# Altium PCB Room04.PcbDoc (part 1 of 2)
Units mil, origin at the board's own origin, x right, y up, seen from the top; angles counter-clockwise.
Board outline 4330.71 x 6653.54 mil, 2 copper layers (Top Layer, Bottom Layer); 102 components, 95 nets, 440 pads, 115 vias.
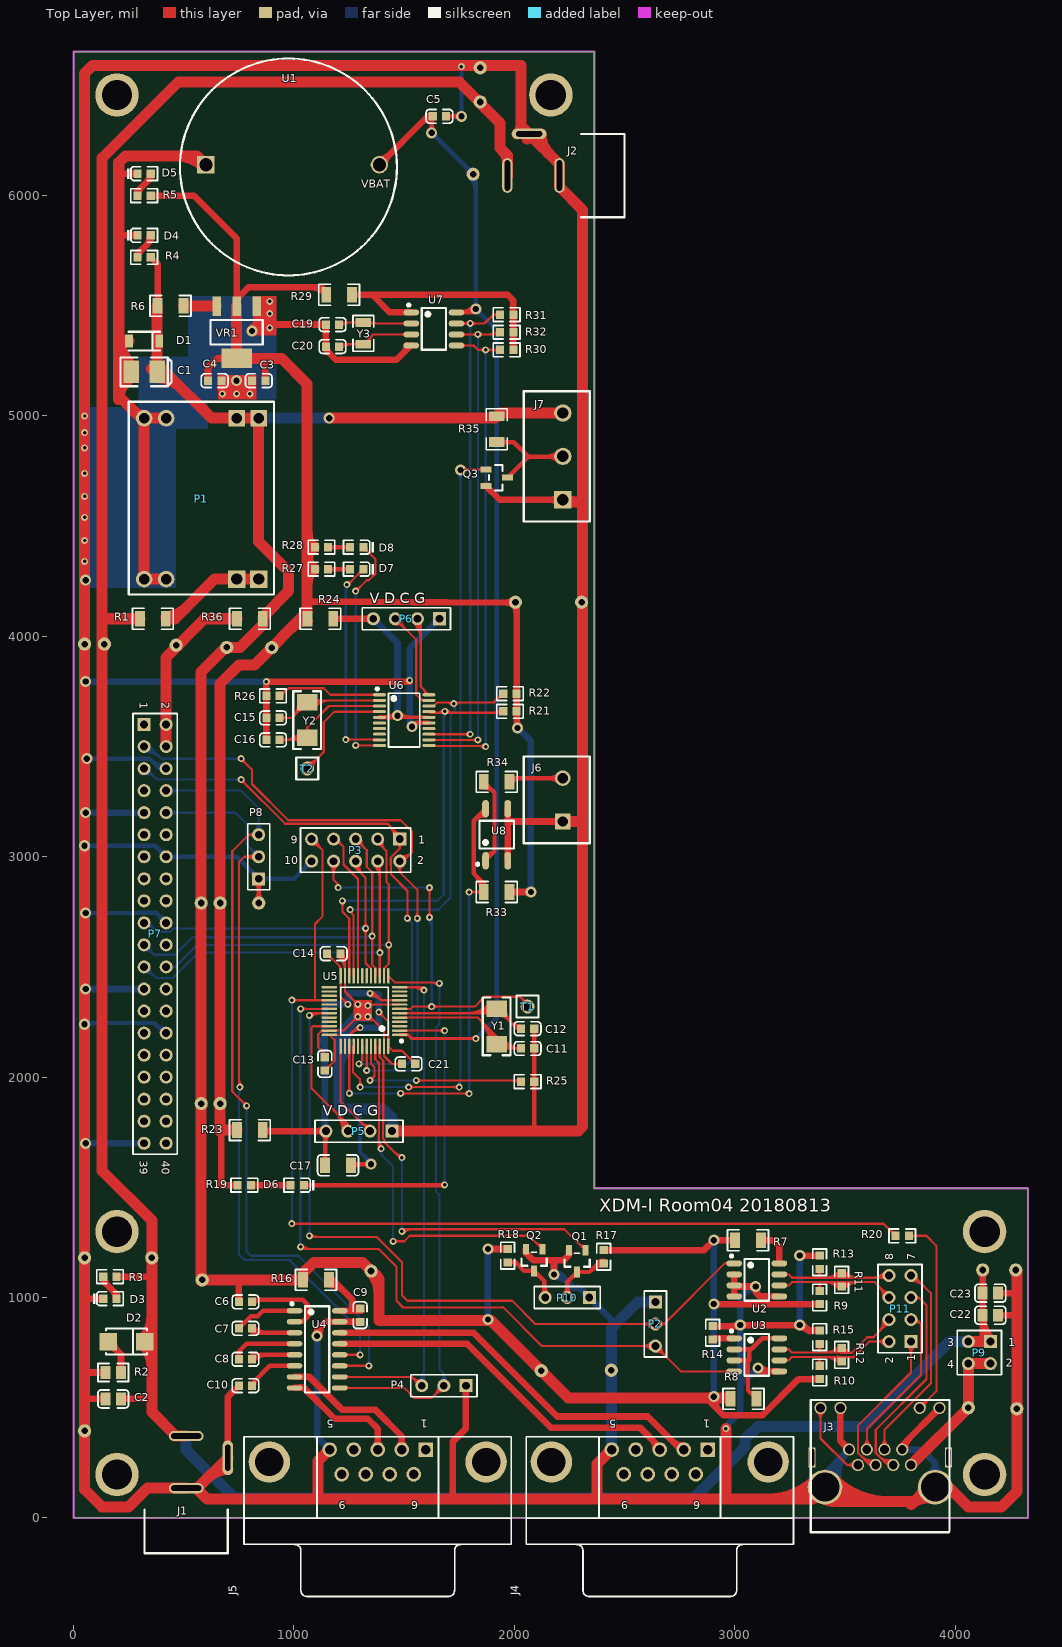
[diagram p0: Top Layer view]
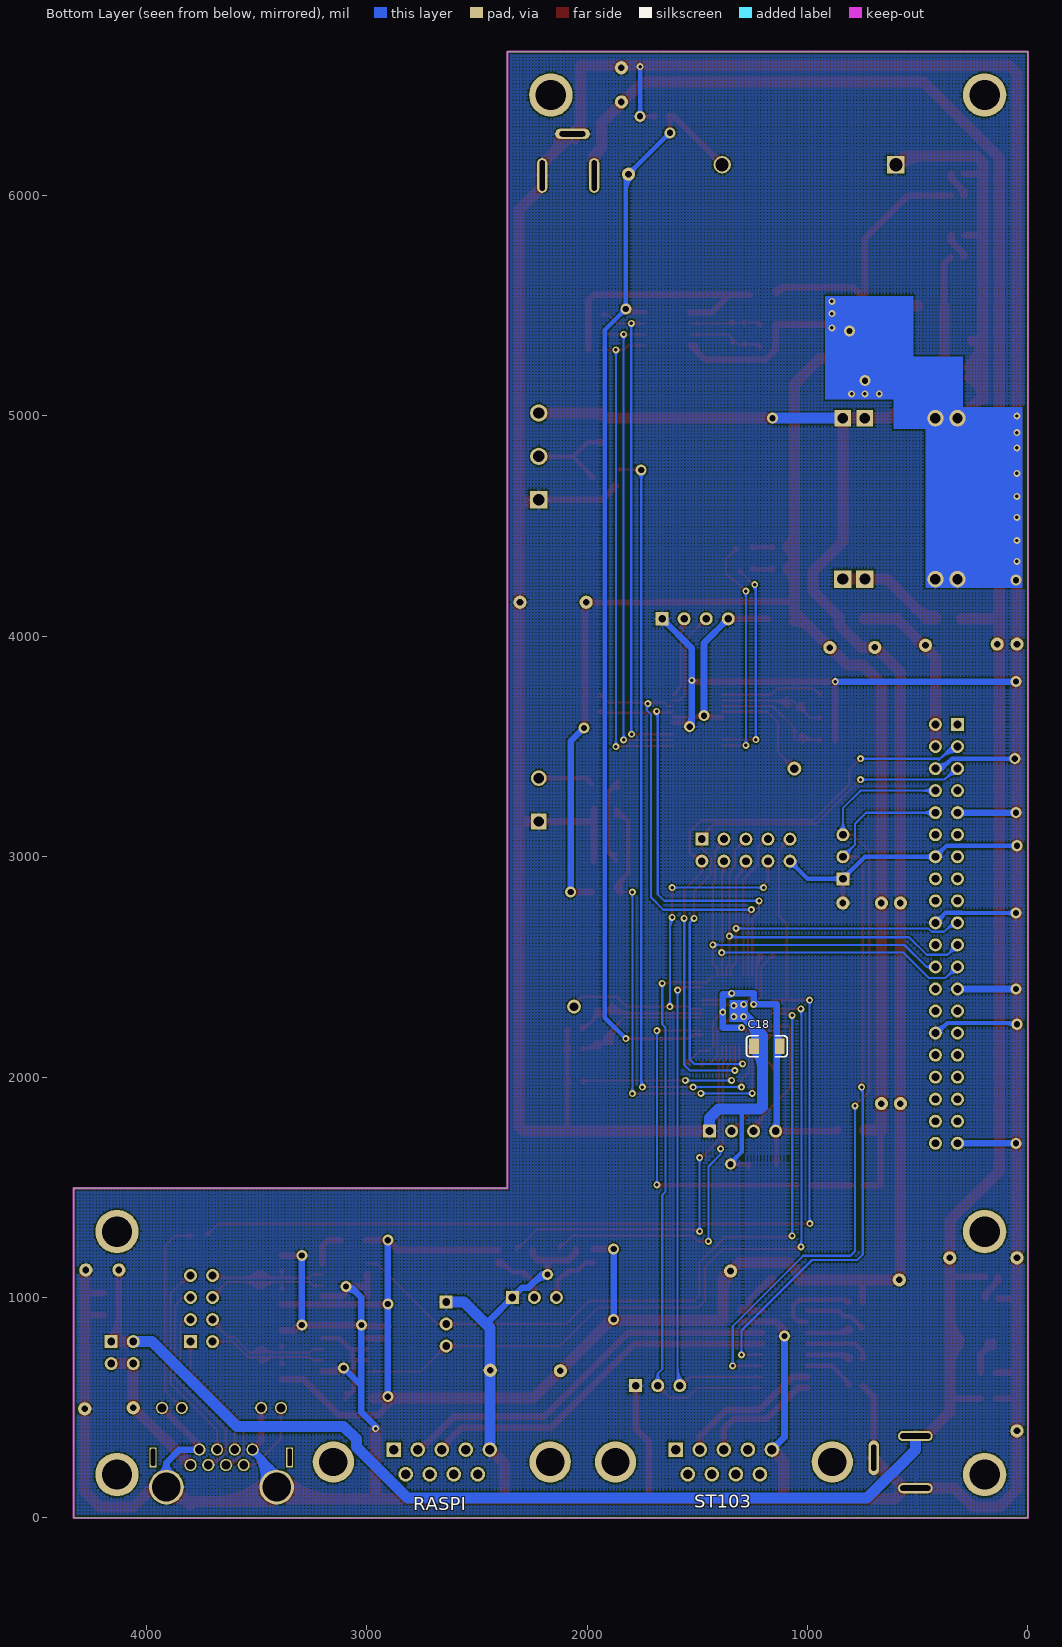
[diagram p1: Bottom Layer view, seen from below]
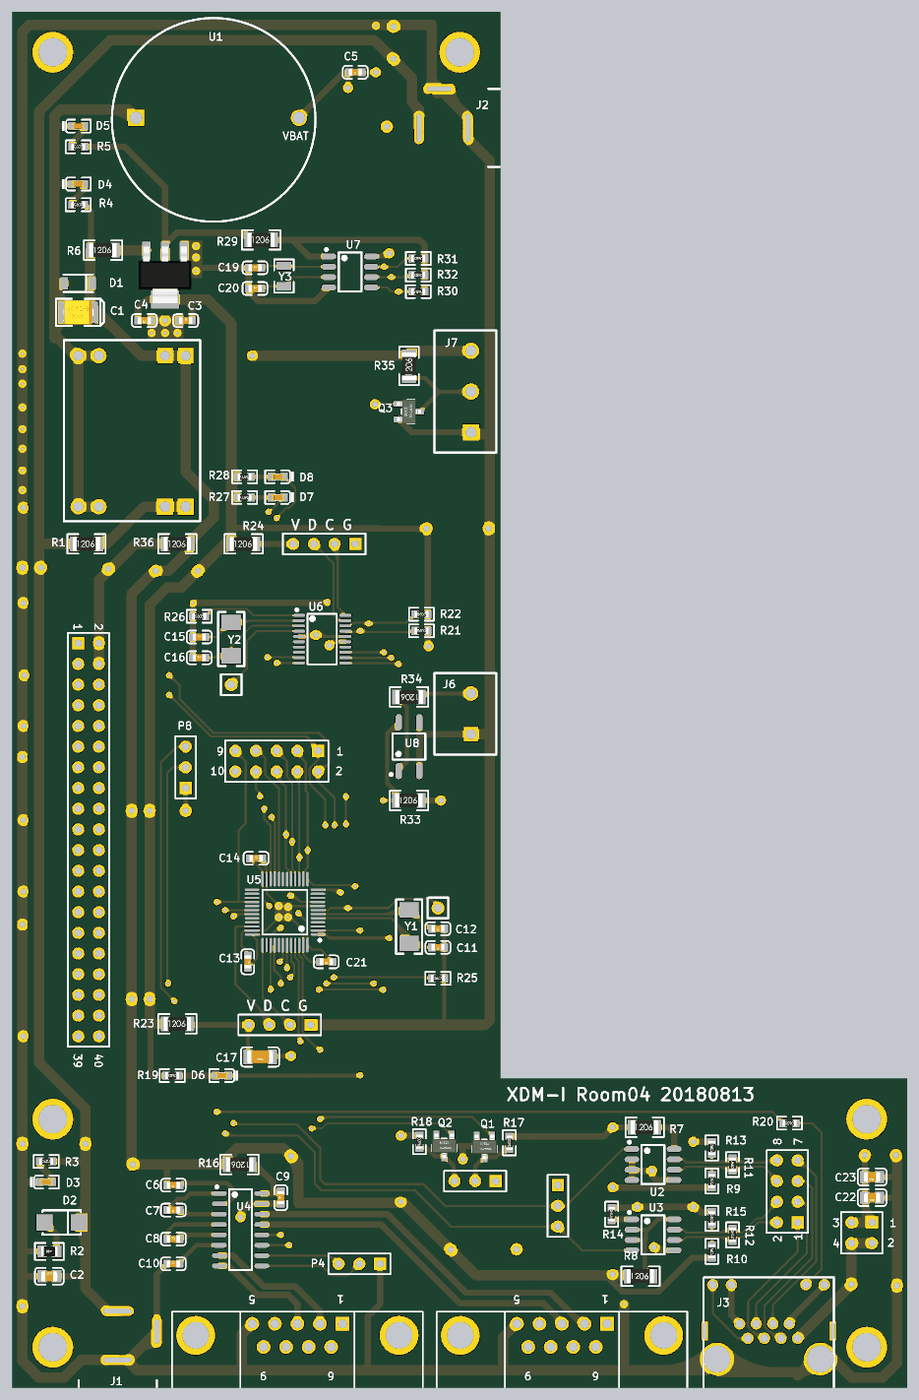
[diagram p3: 3D render of the assembled board from above, using the file's embedded part models]

## Layer stack, top to bottom
Top Layer: signal copper 1.4
Dielectric: dielectric 12.6, FR-4, Dk 4.8
Bottom Layer: signal copper 1.4

## Board outline
0,0 4330.71,0 4330.71,1496.06 2362.2,1496.06 2362.2,6653.54 0,6653.54

## Design rules (kind name [scope] priority, off if disabled: settings)
Clearance [All] p1: gap=6
DiffPairsRouting [All] p1: maxlimit=10 minlimit=10 mostfreqgap=10 maxuncoupledlength=500
Height [All] p1 off: minheight=0 maxheight=1000 prefheight=500
HoleSize [All] p1: absolutevalues=TRUE maxlimit=236.22 minlimit=1 maxpercent=80.000 minpercent=20.000
HoleToHoleClearance [All] p1: gap=6 allowstackedmicrovias=TRUE
MinimumSolderMaskSliver [All] p1: minsoldermaskwidth=4
PolygonConnect [All] p1: connectstyle=Relief reliefconductorwidth=10 reliefentries=4 polygonreliefangle="90 Angle"
RoutingVias [All] p1: holewidth=28 width=50 viastyle="Through Hole" minholewidth=11.81 minwidth=19.68 maxholewidth=28 maxwidth=50
SilkscreenOverComponentPads [All] p1 off: minsilkscreentomaskgap=10
SolderMaskExpansion [All] p1: expansion=4
Width Width_GND [InNet('GND')] p1: maxlimit=50 minlimit=10 preferedwidth=50
Width [All] p2: maxlimit=50 minlimit=10 preferedwidth=10
22 further rules are at their usual default settings.

## Classes and differential pairs
component class raspi: P7 P8 R36
component class other: C19 C20 J6 J7 Q3 R29 R30 R31 R32 R33 R34 R35 U7 U8 Y3
component class mcu: C11 C12 C13 C14 C15 C16 C17 C18 C21 D6 D7 D8 P3 P4 P5 P6 R19 R20 R21 R22 R23 R24 R25 R26 R27 R28 T1 T2 U5 U6 Y1 Y2
component class commu: C6 C7 C8 C9 C10 J3 J4 J5 P2 P9 P10 P11 Q1 Q2 R7 R8 R9 R10 R11 R12 R13 R14 R15 R16 R17 R18 U2 U3 U4
component class power: C1 C2 C3 C4 C5 C22 C23 D1 D2 D3 D4 D5 J1 J2 P1 R1 R2 R3 R4 R5 R6 U1 VR1
differential pair CON2: +CON2_P -CON2_N
differential pair CON1: +CON1_P -CON1_N

## Components (designator, comment, footprint, x,y, rotation, side; value= is the part's Value field where it differs from the comment)
C1 "100uF (107) ±10% 6.3V" CASE-B_3528 320,5200 r0 top
C2 "22uF (226) 20% 25V" 0805_C 180,540 r0 top
C3 "10uF (106) 10% 10V" 0603_C 840,5160 r0 top
C4 "100nF (104) 10% 50V" 0603_C 640,5160 r180 top
C5 "10uF (106) 10% 10V" 0603_C 1660,6360 r180 top
C6 "1uF (105) 10% 50V" 0603_C 780,980 r180 top
C7 "1uF (105) 10% 50V" 0603_C 780,860 r180 top
C8 "1uF (105) 10% 50V" 0603_C 780,720 r0 top
C9 "1uF (105) 10% 50V" 0603_C 1300,920 r90 top
C10 "1uF (105) 10% 50V" 0603_C 780,600 r0 top
C11 "20pF (200) 5% 50V" 0603_C 2060,2130 r180 top
C12 "20pF (200) 5% 50V" 0603_C 2060,2220 r180 top
C13 "100nF (104) 10% 50V" 0603_C 1140,2060 r270 top
C14 "10uF (106) 10% 10V" 0603_C 1180,2560 r0 top
C15 "20pF (200) 5% 50V" 0603_C 905,3630 r0 top
C16 "20pF (200) 5% 50V" 0603_C 905,3530 r0 top
C17 "100nF (104) 10% 50V" 1206_C 1200,1600 r180 top
C18 "100nF (104) 10% 50V" 1206_C 1185,2140 r180 bottom
C19 "12pF (120) 5% 50V" 0603_C 1175,5415 r0 top
C20 "12pF (120) 5% 50V" 0603_C 1175,5315 r0 top
C21 "10uF (106) 10% 10V" 0603_C 1520,2060 r180 top
C22 "22uF (226) 20% 25V" 0805_C 4160,920 r180 top
C23 "100nF(104) 10% 50V" 0805_C 4160,1020 r180 top
D1 "ZMM5V6" LL-34 320,5340 r180 top
D2 "SS54" SMA(DO-214AC)_S1 240,800 r180 top
D3 "绿灯 0603" 0603_LED_S1 165,995 r0 top
D4 "绿灯 0603" 0603_LED_S1 320,5820 r0 top
D5 "绿灯 0603" 0603_LED_S1 320,6100 r0 top
D6 "蓝灯 0603" 0603_LED_S1 1015,1510 r180 top
D7 "蓝灯 0603" 0603_LED_S1 1285,4305 r180 top
D8 "红灯 0603" 0603_LED_S1 1285,4405 r180 top
J1 "DC" DC005 700,-160 r90 top locked
J2 "DC" DC005 2500,6280 r180 top locked
J3 "RJ45" RJ45_1 3800,240 r0 top locked
J4 "D Connector 9" DSUB1.385-2H9 2660,-120 r180 top locked
J5 "D Connector 9" DSUB1.385-2H9 1380,-120 r180 top locked
J6 "KF301-2P" KF301-2P 2220,3160 r90 top
J7 "KF301-3P" KF301-3P 2220,4620 r90 top
P1 "DC-DC5V3A" DC-DC3A 320,4260 r90 top locked
P2 "Header 3" HDR1X3 2640,980 r270 top
P3 "Header 5X2" HDR2X5 1480,3080 r180 top locked
P4 "Header 3" HDR1X3 1780,600 r180 top
P5 "Header 4" HDR1X4 1445,1755 r180 top
P6 "Header 4" HDR1X4 1660,4080 r180 top
P7 "Header 20X2" HDR2X20 320,3600 r270 top
P8 "Header 3" HDR1X3 840,2900 r90 top
P9 "Header 2X2" HDR2X2 4160,800 r180 top locked
P10 "Header 3" HDR1X3 2340,1000 r180 top
P11 "Header 4X2" HDR2X4 3800,800 r90 top locked
Q1 "2N7002 7002" SOT-23(SOT-23-3) 2285,1165 r90 top
Q2 "2N7002 7002" SOT-23(SOT-23-3) 2090,1170 r90 top
Q3 "2N7002 7002" SOT-23(SOT-23-3) 1920,4720 r180 top
R1 "0.1Ω (R100) ±1%" 1206_R 360,4080 r0 top
R2 "100Ω (1000) ±1%" 0805_R 180,660 r0 top
R3 "20KΩ (2002) ±1%" 0603_R 165,1095 r0 top
R4 "10KΩ (1002) ±1%" 0603_R 320,5720 r0 top
R5 "10KΩ (1002) ±1%" 0603_R 320,6000 r0 top
R6 "0.1Ω (R100) ±1%" 1206_R 440,5500 r0 top
R7 "0Ω (0R0) ±1%" 1206_R 3060,1260 r0 top
R8 "0Ω (0R0) ±1%" 1206_R 3040,540 r0 top
R9 "10KΩ (1002) ±1%" 0603_R 3385,1000 r270 top
R10 "10KΩ (1002) ±1%" 0603_R 3385,660 r270 top
R11 "120Ω (1200) ±1%" 0603_R 3485,1080 r270 top
R12 "120Ω (1200) ±1%" 0603_R 3485,740 r270 top
R13 "10KΩ (1002) ±1%" 0603_R 3385,1160 r270 top
R14 "10KΩ (1002) ±1%" 0603_R 2900,840 r270 top
R15 "10KΩ (1002) ±1%" 0603_R 3385,820 r270 top
R16 "0Ω (0R0) ±1%" 1206_R 1100,1080 r180 top
R17 "10KΩ (1002) ±1%" 0603_R 2405,1185 r90 top
R18 "10KΩ (1002) ±1%" 0603_R 1970,1190 r90 top
R19 "10KΩ (1002) ±1%" 0603_R 775,1510 r180 top
R20 "10KΩ (1002) ±1%" 0603_R 3760,1280 r180 top
R21 "100KΩ (1003) ±1%" 0603_R 1980,3660 r0 top
R22 "100KΩ (1003) ±1%" 0603_R 1980,3740 r0 top
R23 "0Ω (0R0) ±1%" 1206_R 800,1760 r0 top
R24 "0Ω (0R0) ±1%" 1206_R 1120,4080 r0 top
R25 "100KΩ (1003) ±1%" 0603_R 2060,1980 r0 top
R26 "100KΩ (1003) ±1%" 0603_R 905,3730 r0 top
R27 "10KΩ (1002) ±1%" 0603_R 1125,4305 r180 top
R28 "10KΩ (1002) ±1%" 0603_R 1125,4405 r180 top
R29 "0Ω (0R0) ±1%" 1206_R 1205,5550 r0 top
R30 "10KΩ (1002) ±1%" 0603_R 1965,5300 r180 top
R31 "10KΩ (1002) ±1%" 0603_R 1965,5460 r180 top
R32 "10KΩ (1002) ±1%" 0603_R 1965,5380 r180 top
R33 "10KΩ (1002) ±1%" 1206_R 1920,2840 r0 top
R34 "1KΩ (1001) ±1%" 1206_R 1920,3340 r180 top
R35 "10KΩ (1002) ±1%" 1206_R 1920,4940 r90 top
R36 "0Ω (0R0) ±1%" 1206_R 800,4080 r0 top
T1 "TP1" TP1 2060,2320 r0 top
T2 "TP1" TP1 1060,3400 r0 top
U1 "BAT" BAT2032 600,6140 r0 top
U2 "SN75176BDR" SOIC-8_150mil 3100,1080 r270 top
U3 "SN75176BDR" SOIC-8_150mil 3100,740 r270 top
U4 "MAX232ESE" SOIC-16_150mil 1105,765 r270 top locked
U5 "STM32F103C8T6" LQFP-48_7x7x05P 1320,2300 r90 top locked
U6 "STM32F030F4P6" TSSOP-20 1500,3620 r270 top locked
U7 "DS1302Z+T&R" SOIC-8_150mil 1635,5395 r270 top
U8 "EL357N(B)(TA)-G" SOP-4_P2.54 1920,3100 r90 top
VR1 "AMS1117-3.3" SOT-223 740,5380 r90 top
Y1 "8MHz ±20ppm 20pF" SMD-5032_2P 1920,2230 r90 top
Y2 "8MHz ±20ppm 20pF" SMD-5032_2P 1060,3620 r270 top
Y3 "32.768KHz ±20ppm 12.5pF" "SMD-3215_2P FC - 135" 1315,5375 r270 top

## Footprints (in the part's own frame and the unit in brackets; to place one, negate y for a bottom-side part, rotate by r counter-clockwise, add the part's x,y. Pads: shape width x height; smd on the part's side, far side on the other; paste and mask are expansions set on the pad)
0603_C [mm]
  rect 0.93x0.98 smd: 1(-0.77,0) 2(0.77,0)
  silkscreen extent -1.53,-0.79 1.54,0.79, body extent -0.8,-0.4 0.8,0.4, height 0.3
0603_LED_S1 [mm]
  rect 0.93x0.98 smd: A(0.77,0) K(-0.77,0)
  silkscreen extent -1.97,-0.79 1.54,0.79, body extent -0.8,-0.4 0.8,0.4, height 0.6
0603_R [mm]
  rect 0.93x0.98 smd: 1(-0.77,0) 2(0.77,0)
  silkscreen extent -1.53,-0.79 1.54,0.79, body extent -0.85,-0.4 0.85,0.4, height 0.56
0805_C [mm]
  rect 1.16x1.47 smd: 1(-0.89,0) 2(0.89,0)
  silkscreen extent -1.77,-1.04 1.77,1.04, body extent -1,-0.63 1,0.63, height 0.77
0805_R [mm]
  rect 1.16x1.47 smd: 1(-0.89,0) 2(0.89,0)
  silkscreen extent -1.77,-1.04 1.77,1.03, body extent -1,-0.62 1,0.63, height 0.49
1206_C [mm]
  rect 1.13x1.8 smd: 1(-1.49,0) 2(1.49,0)
  silkscreen extent -2.36,-1.2 2.35,1.2, body extent -1.6,-0.81 1.6,0.79, height 1
1206_R [mm]
  rect 1.13x1.8 smd: 1(-1.49,0) 2(1.49,0)
  silkscreen extent -2.36,-1.2 2.35,1.2, body extent -1.7,-0.86 1.65,0.87, height 0.85
BAT2032 [mm]
  rect 2x2 hole 1.5: 1(0,0)
  round 2 hole 1.5: 2(20,0)
  silkscreen extent -2.97,-12.75 22.02,12.24
CASE-B_3528 [mm]
  rect 1.8x2.6 smd: 1(1.5,0) 2(-1.5,0)
  silkscreen extent -2.73,-1.65 3.16,1.65, body extent -1.85,-1.47 1.85,1.46, height 2.03
DC005 [mm]
  oval 1.2x4 hole 0.6 slot 3.5 at 90 deg: 1(13.5,4.8) 3(7.5,4.8)
  oval 4x1.2 hole 0.6 slot 3 at 0 deg: 2(11,0)
  silkscreen extent 0,0 5,9.6
DC-DC3A [mm] "DC-DC5V3Amodule"
  round 1.9 hole 1.2: 1(0,0) 2(0,-2.54) 7(18.542,-2.54) 8(18.542,0)
  rect 2x2 hole 1.3: 3(0,-10.668) 4(0,-13.208)
  rect 1.9x1.9 hole 1.2: 5(18.542,-13.208) 6(18.542,-10.668)
  silkscreen extent -1.78,-14.99 20.45,1.78
DSUB1.385-2H9 [mm] "Connector; D Subminiature; 9 Position; Right Angle; Pitch 1.385 mm"
  rect 1.69x1.69 hole 1.09: 1(-5.54,-10.92)
  round 1.69 hole 1.09: 2(-2.77,-10.92) 3(0,-10.92) 4(2.77,-10.92) 5(5.54,-10.92) 6(-4.155,-8.08) 7(-1.385,-8.08) 8(1.385,-8.08) 9(4.155,-8.08)
  round 4.76 hole 3.26: 10(-12.495,-9.5) 11(12.495,-9.5)
  silkscreen extent -15.4,-12.4 15.4,6
HDR1X3 [mm] "Connector; Header; 3 Position"
  rect 1.5x1.5 hole 0.9: 1(0,0)
  round 1.5 hole 0.9: 2(2.54,0) 3(5.08,0)
  silkscreen extent -1.27,-1.27 6.35,1.27
HDR1X4 [mm] "Connector; Header; 4 Position"
  rect 1.5x1.5 hole 0.9: 1(0,0)
  round 1.5 hole 0.9: 2(2.54,0) 3(5.08,0) 4(7.62,0)
  silkscreen extent -1.27,-1.27 8.89,1.27
HDR2X2 [mm] "Connector; Header; 2x2 Position"
  rect 1.5x1.5 hole 0.9: 1(0,0)
  round 1.5 hole 0.9: 2(0,2.54) 3(2.54,0) 4(2.54,2.54)
  silkscreen extent -1.27,-1.27 3.81,3.81
HDR2X4 [mm] "Connector; Header; 4x2 Position"
  rect 1.5x1.5 hole 0.9: 1(0,0)
  round 1.5 hole 0.9: 2(0,2.54) 3(2.54,0) 4(2.54,2.54) 5(5.08,0) 6(5.08,2.54) 7(7.62,0) 8(7.62,2.54)
  silkscreen extent -1.27,-1.27 8.89,3.81
HDR2X5 [mm] "Connector; Header; 5x2 Position"
  rect 1.5x1.5 hole 0.9: 1(0,0)
  round 1.5 hole 0.9: 2(0,2.54) 3(2.54,0) 4(2.54,2.54) 5(5.08,0) 6(5.08,2.54) 7(7.62,0) 8(7.62,2.54) 9(10.16,0) 10(10.16,2.54)
  silkscreen extent -1.27,-1.27 11.43,3.81
HDR2X20 [mm] "Connector; Header; 20x2 Position"
  rect 1.5x1.5 hole 0.9: 1(0,0)
  round 1.5 hole 0.9: 2(0,2.54) 3(2.54,0) 4(2.54,2.54) 5(5.08,0) 6(5.08,2.54) 7(7.62,0) 8(7.62,2.54) 9(10.16,0) 10(10.16,2.54) 11(12.7,0) 12(12.7,2.54) 13(15.24,0) 14(15.24,2.54) 15(17.78,0) 16(17.78,2.54) 17(20.32,0) 18(20.32,2.54) 19(22.86,0) 20(22.86,2.54) 21(25.4,0) 22(25.4,2.54) 23(27.94,0) 24(27.94,2.54) 25(30.48,0) 26(30.48,2.54) 27(33.02,0) 28(33.02,2.54) 29(35.56,0) 30(35.56,2.54) 31(38.1,0) 32(38.1,2.54) 33(40.64,0) 34(40.64,2.54) 35(43.18,0) 36(43.18,2.54) 37(45.72,0) 38(45.72,2.54) 39(48.26,0) 40(48.26,2.54)
  silkscreen extent -1.27,-1.27 49.53,3.81
KF301-2P [mm]
  rect 1.8x1.8 hole 1.2: 1(0,0)
  round 1.8 hole 1.2: 2(5,0)
  silkscreen extent -2.5,-3.1 7.5,4.5
KF301-3P [mm]
  rect 2x2 hole 1.3: 1(0,0)
  round 2 hole 1.3: 2(5,0) 3(10,0)
  silkscreen extent -2.5,-3.1 12.5,4.5
LL-34 [mm]
  rect 0.9x1.5 smd: 1(1.75,0) 2(-1.75,0)
  silkscreen extent -1.8,-1.08 1.8,1.08
LQFP-48_7x7x05P [mm]
  oval 0.28x1.8 smd mask+0.051: 1(-2.75,-4.05) 2(-2.25,-4.05) 3(-1.75,-4.05) 4(-1.25,-4.05) 5(-0.75,-4.05) 6(-0.25,-4.05) 7(0.25,-4.05) 8(0.75,-4.05) 9(1.25,-4.05) 10(1.75,-4.05) 11(2.25,-4.05) 12(2.75,-4.05) 25(2.75,4.05) 26(2.25,4.05) 27(1.75,4.05) 28(1.25,4.05) 29(0.75,4.05) 30(0.25,4.05) 31(-0.25,4.05) 32(-0.75,4.05) 33(-1.25,4.05) 34(-1.75,4.05) 35(-2.25,4.05) 36(-2.75,4.05)
  oval 1.8x0.28 smd mask+0.051: 13(4.05,-2.75) 14(4.05,-2.25) 15(4.05,-1.75) 16(4.05,-1.25) 17(4.05,-0.75) 18(4.05,-0.25) 19(4.05,0.25) 20(4.05,0.75) 21(4.05,1.25) 22(4.05,1.75) 23(4.05,2.25) 24(4.05,2.75) 37(-4.05,2.75) 38(-4.05,2.25) 39(-4.05,1.75) 40(-4.05,1.25) 41(-4.05,0.75) 42(-4.05,0.25) 43(-4.05,-0.25) 44(-4.05,-0.75) 45(-4.05,-1.25) 46(-4.05,-1.75) 47(-4.05,-2.25) 48(-4.05,-2.75)
  silkscreen extent -3.6,-4.43 2.75,2.75
RJ45_1 [mm]
  rect 0.8x2.3 hole 0.5 slot 2 at 90 deg: 0(-11.43,0.889) 0(4.318,0.889)
  round 1.4 hole 1: 1(0,0) 2(-1.02,1.78) 3(-2.04,0) 4(-3.06,1.78) 5(-4.08,0) 6(-5.1,1.78) 7(-6.12,0) 8(-7.14,1.78) 9(3.29,6.58) 10(1,6.58) 11(-8.14,6.58) 12(-10.43,6.58)
  round 4 hole 3.3: 13(2.78,-2.54) 14(-9.92,-2.54)
  silkscreen extent -11.56,-7.75 4.44,7.49
SMA(DO-214AC)_S1 [mm]
  rect 2x2 smd: 1(2.1,0) 2(-2.1,0)
  silkscreen extent -2.35,-1.5 2.35,1.5
"SMD-3215_2P FC - 135" [mm]
  rect 1x1.8 smd: 1(-1.25,0) 2(1.25,0)
  silkscreen extent -2.05,-1.2 2.05,1.2
SMD-5032_2P [mm]
  rect 1.9x2.4 smd: 1(-2.05,0) 2(2.05,0)
  silkscreen extent -3.32,-1.6 3.32,1.6
SOIC-8_150mil [mm]
  oval 0.7x1.8 smd: 1(-1.905,-2.6) 2(-0.635,-2.6) 3(0.635,-2.6) 4(1.905,-2.6) 5(1.905,2.6) 6(0.635,2.6) 7(-0.635,2.6) 8(-1.905,2.6)
  silkscreen extent -2.9,-3.05 2.4,1.4
SOIC-16_150mil [mm]
  oval 0.6x1.8 smd: 1(-4.445,-2.6) 2(-3.175,-2.6) 3(-1.905,-2.6) 4(-0.635,-2.6) 5(0.635,-2.6) 6(1.905,-2.6) 7(3.175,-2.6) 8(4.445,-2.6) 9(4.445,2.6) 10(3.175,2.6) 11(1.905,2.6) 12(0.635,2.6) 13(-0.635,2.6) 14(-1.905,2.6) 15(-3.175,2.6) 16(-4.445,2.6)
  silkscreen extent -5.4,-3.05 4.97,1.4
SOP-4_P2.54 [mm]
  oval 2x0.8 smd: 1(-3,1.27) 2(-3,-1.27) 3(3,-1.27) 4(3,1.27)
  silkscreen extent -3.55,-2 1.6,2.35
SOT-23(SOT-23-3) [mm]
  rect 1.25x0.7 smd: 1(1.25,-0.95) 2(1.25,0.95) 3(-1.25,0)
  silkscreen extent -0.65,-1.46 0.9,1.46, body extent -1.5,-1.5 1.5,1.5, height 1.3
SOT-223 [mm]
  rect 2.2x1 smd: 1(3,-2.3) 2(3,0) 3(3,2.3)
  rect 2.2x3.5 smd: 2(-3,0)
  silkscreen extent -1.4,-3 1.4,3, body extent -3.49,-3.24 3.49,3.24, height 1.64
TP1 [mm] "Test Point 1"
  round 1.6 hole 1: 1(0,0)
  silkscreen extent -1.27,-1.27 1.27,1.27
TSSOP-20 [mm]
  oval 0.35x1.5 smd: 1(-2.925,-2.85) 2(-2.275,-2.85) 3(-1.625,-2.85) 4(-0.975,-2.85) 5(-0.325,-2.85) 6(0.325,-2.85) 7(0.975,-2.85) 8(1.625,-2.85) 9(2.275,-2.85) 10(2.925,-2.85) 11(2.925,2.85) 12(2.275,2.85) 13(1.625,2.85) 14(0.975,2.85) 15(0.325,2.85) 16(-0.325,2.85) 17(-0.975,2.85) 18(-1.625,2.85) 19(-2.275,2.85) 20(-2.925,2.85)
  silkscreen extent -3.75,-3.25 3.1,1.8

## Part data
C1: library part "3528 100uF (107) 10% 6.3V", "钽电容"
C2 C22: library part "0805 22uF (226) 20% 25V", "贴片电容"
C3 C5 C14 C21: library part "0603 10uF (106) 10% 10V", "贴片电容"
C4 C13: library part "0603 100nF (104) 10% 50V", "贴片电容"
C6 C7 C8 C9 C10: library part "0603 1uF (105) 10% 50V", "贴片电容"
C11 C12 C15 C16: library part "0603 20pF (200) 5% 50V", "贴片电容"
C17 C18: library part "1206 100nF (104) 10% 50V", "贴片电容"
C19 C20: library part "0603 12pF (120) 5% 50V", "贴片电容"
C23: library part "0805 100nF(104) 10% 50V", "贴片电容"
D1: library part "LL-34 ZMM5V6", "稳压二极管"
D2: library part "SMA(DO-214AC) SS54", "二极管"
D3 D4 D5: library part "0603 绿灯", "发光二极管"
D6 D7: library part "0603 蓝灯", "发光二极管"
D8: library part "0603 红灯", "发光二极管"
J1 J2: "Connector for DC 12V"
J3: library part RJ45_1
J4 J5: "Receptacle Assembly, 9 Position, Right Angle"
P1: library part DC-DC3A
P2 P4 P8 P10: "Header, 3-Pin"
P3: "Header, 5-Pin, Dual row"
P5 P6: "Header, 4-Pin"
P7: "Header, 20-Pin, Dual row"
P9: "Header, 2-Pin, Dual row"
P11: "Header, 4-Pin, Dual row"
Q1 Q2 Q3: "MOS(场效应管)"
R1 R6: library part "1206 0.1Ω (R100) 1%", "贴片电阻"
R2: library part "0805 100Ω (1000) 1%", "贴片电阻"
R3: library part "0603 20KΩ (2002) 1%", "贴片电阻"
R4 R5 R9 R10 R13 R14 R15 R17 R18 R19 R20 R27 R28 R30 R31 R32: library part "0603 10KΩ (1002) 1%", "贴片电阻"
R7 R8 R16 R23 R24 R29 R36: library part "1206 0Ω (0R0) 1%", "贴片电阻"
R11 R12: library part "0603 120Ω (1200) 1%", "贴片电阻"
R21 R22 R25 R26: library part "0603 100KΩ (1003) 1%", "贴片电阻"
R33 R35: library part "1206 10KΩ (1002) 1%", "贴片电阻"
R34: library part "1206 1KΩ (1001) 1%", "贴片电阻"
U1: library part BAT2032
U2 U3: library part SN75176BDR_[C7063], "RS-485/RS-422"
U4: library part MAX232ESE_[C26860], "RS232"
U5 U6: "ARM"
U7: library part DS1302Z+T&R_[C8959], "实时时钟"
U8: library part EL357N(B)(TA)-G_[C6649], "贴片光耦"
VR1: library part "SOT-223 AMS1117-3.3", "低压差线性稳压(LDO)"
Y1 Y2: library part "SMD-5032_2P 8MHz 20ppm 20pF", "贴片晶振"
Y3: library part "SMD-3215_2P 32.768KHz 20ppm 12.5pF", "贴片晶振"

## Free pads (board coordinates)
  round 196.85 hole 137.8: 0(196.85,196.85) 0(196.85,1299.21) 0(196.85,6456.69) 0(2165.35,6456.69) 0(4133.86,196.85) 0(4133.86,1299.21)
  round 60 hole 30: 0(584,1080) 0(4060,500) 0(4275,1125) 1(355,1180) 1(4280,495) 2(50,1180) 2(4124.96,1125) 3(50,395) 3(2440,670) 4(2121.91,668.09) 5(1349.77,1120.23) 6(665,1880) 7(579,1880) 8(840,2790) 9(665,2790) 10(579,2790) 11(50,3965) 12(140,3965) 13(465,3960) 14(695,3950) 15(899.04,3949.04) 16(2005,4155) 17(2305,4155) 18(1845,6580) 19(1845,6425) 20(1812.78,6097.22)

## Via types
v1: diameter 31.5, hole 15.75, Top Layer to Bottom Layer, 82 vias
v2: diameter 50, hole 28, Top Layer to Bottom Layer, 33 vias
